# KiCad board delta48m.kicad_pcb
title: Компьютер Дельта-С-М; date: 2023-03-13; rev: 1; note: Евстафьев
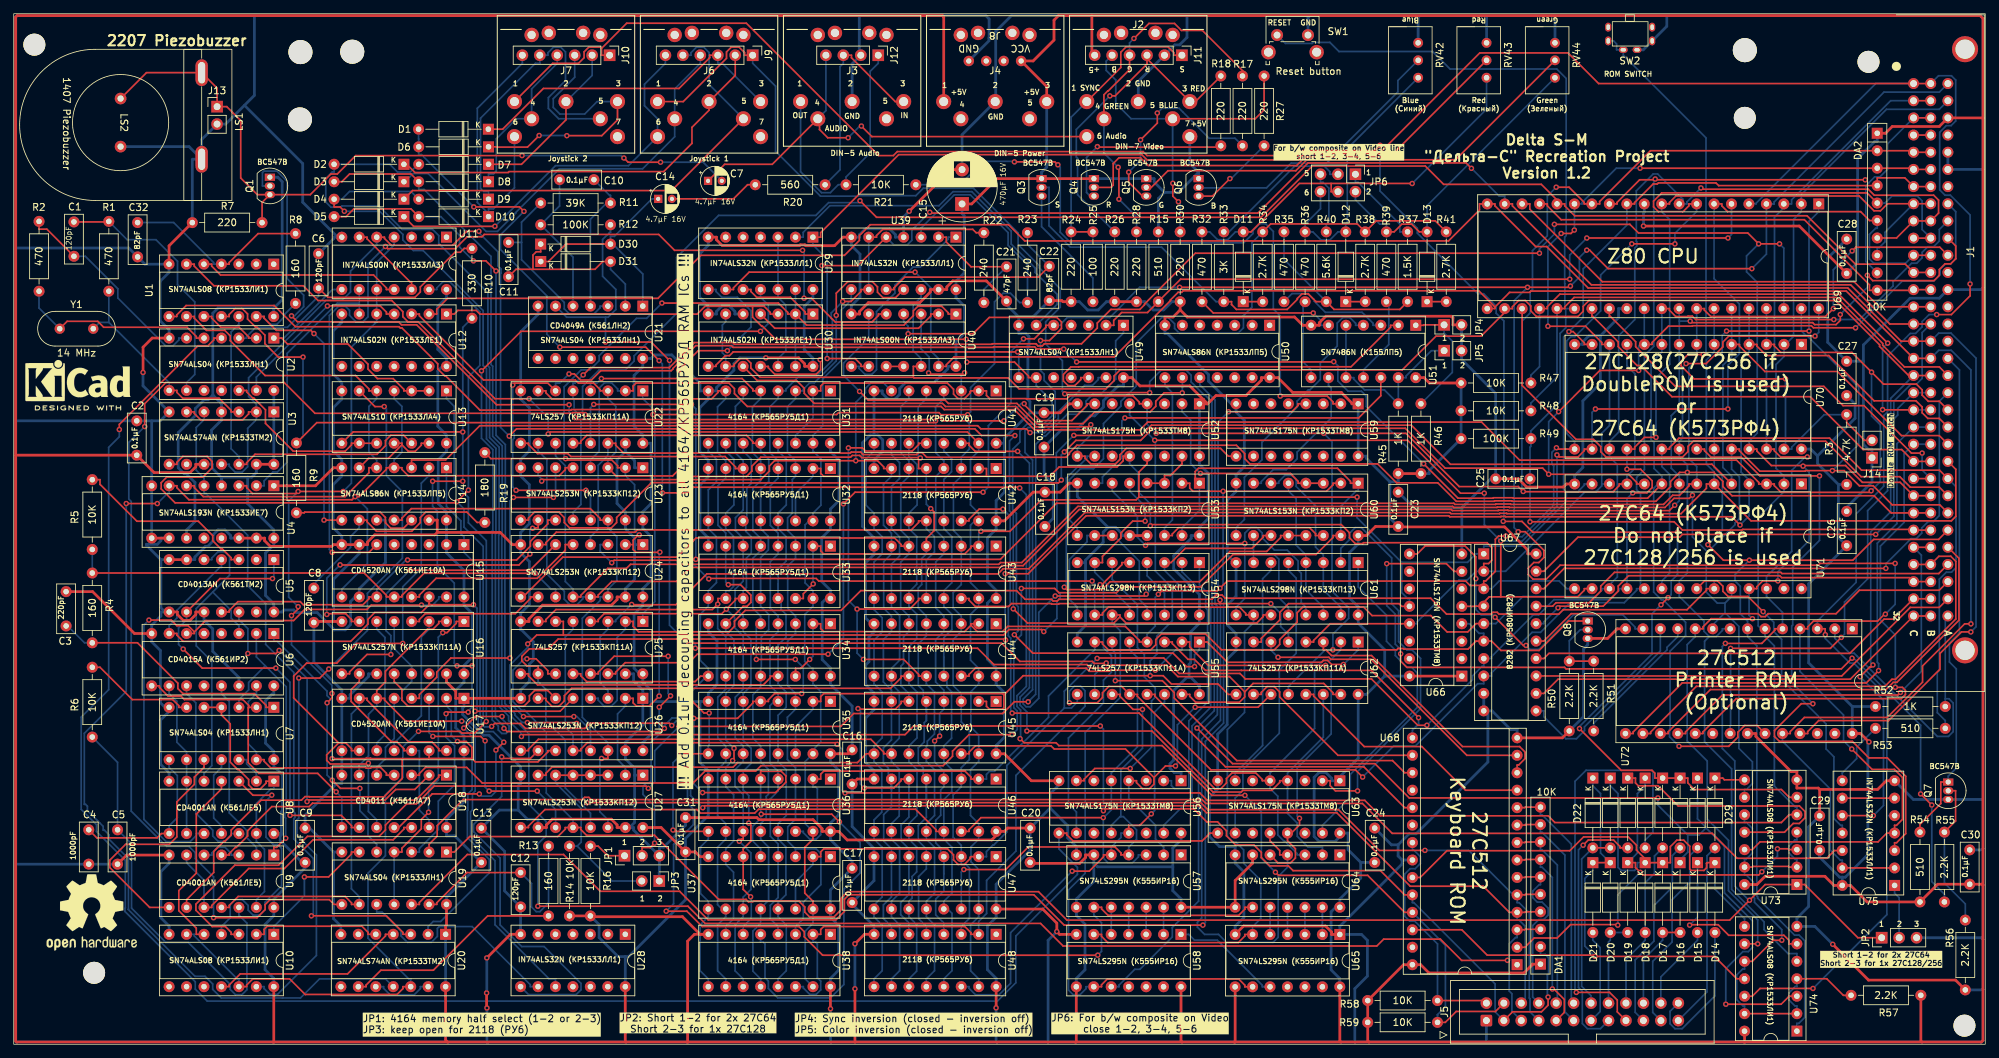
[diagram p0: board, top side]
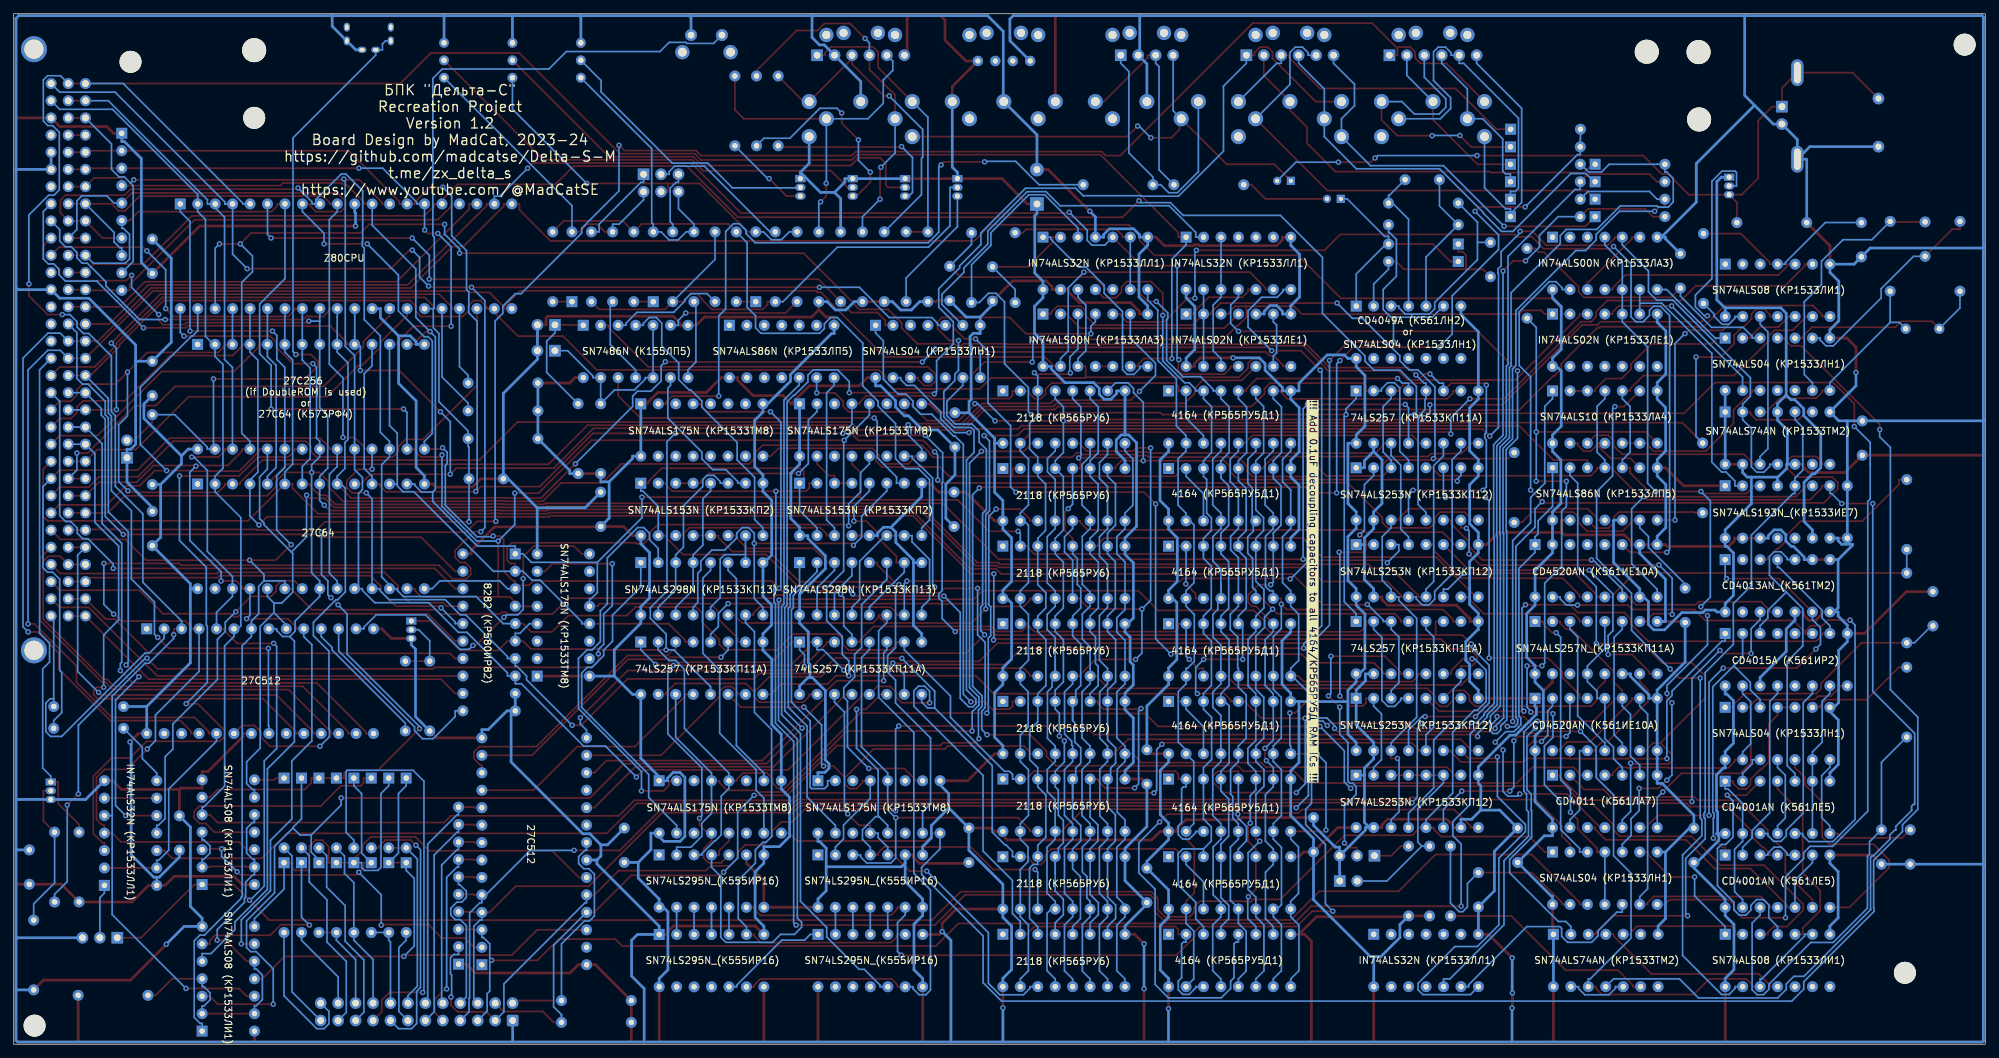
[diagram p1: board, bottom side, seen from below]

Outline 287 x 150 mm; copper layers: Top, Bottom. Coordinates in mm from the lower left corner of the outline.
Outline path: rectangle 0,150 287,0
Stack: Top 0.035mm / dielectric 1.6mm FR4 er 4.5 / Bottom 0.035mm

## Placement (name value [footprint] x y rotation side)
C1  120pF  [C_Disc_D7.0mm_W2.5mm_P5.00mm]  8.76 114.69 90 top
C2  0.1μF  [C_Disc_D7.0mm_W2.5mm_P5.00mm]  17.91 85.74 90 top
C3  220pF  [C_Disc_D7.0mm_W2.5mm_P5.00mm]  7.62 65.89 270 top
C4  1000pF  [C_Disc_D7.0mm_W2.5mm_P5.00mm]  10.92 26.22 90 top
C5  1000pF  [C_Disc_D7.0mm_W2.5mm_P5.00mm]  15.11 26.22 90 top
C6  120pF  [C_Disc_D7.0mm_W2.5mm_P5.00mm]  44.38 115.07 270 top
C7  4.7µF 16V  [CP_Radial_D4.0mm_P2.00mm]  101.08 125.67 0 top
C8  120pF  [C_Disc_D7.0mm_W2.5mm_P5.00mm]  43.69 61.39 90 top
C9  0.1μF  [C_Disc_D7.0mm_W2.5mm_P5.00mm]  42.42 26.47 90 top
C10  0.1µF  [C_Disc_D7.0mm_W2.5mm_P5.00mm]  84.46 125.85 180 top
C11  0.1µF  [C_Disc_D7.0mm_W2.5mm_P5.00mm]  72.04 111.72 90 top
C12  120pF  [C_Disc_D7.0mm_W2.5mm_P5.00mm]  73.79 24.99 270 top
C13  0.1μF  [C_Disc_D7.0mm_W2.5mm_P5.00mm]  68.07 26.47 90 top
C14  4.7µF 16V  [CP_Radial_D4.0mm_P2.00mm]  93.82 123.05 0 top
C15  470µF 16V  [CP_Radial_D10.0mm_P5.00mm]  138.05 122.31 90 top
C16  0.1μF  [C_Disc_D7.0mm_W2.5mm_P5.00mm]  122.05 37.86 90 top
C17  0.1μF  [C_Disc_D7.0mm_W2.5mm_P5.00mm]  122.05 20.63 90 top
C18  0.1μF  [C_Disc_D7.0mm_W2.5mm_P5.00mm]  150.11 75.36 90 top
C19  0.1μF  [C_Disc_D7.0mm_W2.5mm_P5.00mm]  149.99 86.92 90 top
C20  0.1μF  [C_Disc_D7.0mm_W2.5mm_P5.00mm]  147.96 26.47 90 top
C21  47pF  [C_Disc_D7.0mm_W2.5mm_P5.00mm]  144.53 113.17 270 top
C22  82pF  [C_Disc_D7.0mm_W2.5mm_P5.00mm]  150.75 113.25 270 top
C23  0.1μF  [C_Disc_D7.0mm_W2.5mm_P5.00mm]  201.55 75.36 90 top
C24  0.1μF  [C_Disc_D7.0mm_W2.5mm_P5.00mm]  198.12 26.47 90 top
C25  0.1μF  [C_Disc_D7.0mm_W2.5mm_P5.00mm]  220.73 82.31 180 top
C26  0.1μF  [C_Disc_D7.0mm_W2.5mm_P5.00mm]  266.83 72.57 90 top
C27  0.1μF  [C_Disc_D7.0mm_W2.5mm_P5.00mm]  266.83 94.41 90 top
C28  0.1μF  [C_Disc_D7.0mm_W2.5mm_P5.00mm]  266.83 112.19 90 top
C29  0.1μF  [C_Disc_D7.0mm_W2.5mm_P5.00mm]  262.89 28.25 90 top
C30  0.1μF  [C_Disc_D7.0mm_W2.5mm_P5.00mm]  284.73 23.29 90 top
C31  0.1μF  [C_Disc_D7.0mm_W2.5mm_P5.00mm]  97.79 27.99 90 top
C32  82pF  [C_Disc_D7.0mm_W2.5mm_P5.00mm]  18.03 114.61 90 top
D1  1N4148 (КД522Б)  [D_DO-35_SOD27_P10.16mm_Horizontal]  69.09 133.19 180 top
D2  1N4148 (КД522Б)  [D_DO-35_SOD27_P10.16mm_Horizontal]  56.8 128.09 180 top
D3  1N4148 (КД522Б)  [D_DO-35_SOD27_P10.16mm_Horizontal]  56.8 125.55 180 top
D4  1N4148 (КД522Б)  [D_DO-35_SOD27_P10.16mm_Horizontal]  56.8 123.01 180 top
D5  1N4148 (КД522Б)  [D_DO-35_SOD27_P10.16mm_Horizontal]  56.8 120.47 180 top
D6  1N4148 (КД522Б)  [D_DO-35_SOD27_P10.16mm_Horizontal]  69.12 130.63 180 top
D7  1N4148 (КД522Б)  [D_DO-35_SOD27_P10.16mm_Horizontal]  69.12 128.09 180 top
D8  1N4148 (КД522Б)  [D_DO-35_SOD27_P10.16mm_Horizontal]  69.12 125.55 180 top
D9  1N4148 (КД522Б)  [D_DO-35_SOD27_P10.16mm_Horizontal]  69.12 123.01 180 top
D10  1N4148 (КД522Б)  [D_DO-35_SOD27_P10.16mm_Horizontal]  69.12 120.47 180 top
D11  1N4148 (КД522Б)  [D_DO-35_SOD27_P10.16mm_Horizontal]  178.98 108.09 90 top
D12  1N4148 (КД522Б)  [D_DO-35_SOD27_P10.16mm_Horizontal]  193.9 108.09 90 top
D13  1N4148 (КД522Б)  [D_DO-35_SOD27_P10.16mm_Horizontal]  205.74 108.09 90 top
D14  1N4148 (КД522Б)  [D_DO-35_SOD27_P10.16mm_Horizontal]  229.87 26.43 270 top
D15  1N4148 (КД522Б)  [D_DO-35_SOD27_P10.16mm_Horizontal]  232.41 26.43 270 top
D16  1N4148 (КД522Б)  [D_DO-35_SOD27_P10.16mm_Horizontal]  234.95 26.43 270 top
D17  1N4148 (КД522Б)  [D_DO-35_SOD27_P10.16mm_Horizontal]  237.49 26.43 270 top
D18  1N4148 (КД522Б)  [D_DO-35_SOD27_P10.16mm_Horizontal]  240.03 26.43 270 top
D19  1N4148 (КД522Б)  [D_DO-35_SOD27_P10.16mm_Horizontal]  242.57 26.43 270 top
D20  1N4148 (КД522Б)  [D_DO-35_SOD27_P10.16mm_Horizontal]  245.11 26.43 270 top
D21  1N4148 (КД522Б)  [D_DO-35_SOD27_P10.16mm_Horizontal]  247.65 26.43 270 top
D22  1N4148 (КД522Б)  [D_DO-35_SOD27_P10.16mm_Horizontal]  229.87 38.75 270 top
D23  1N4148 (КД522Б)  [D_DO-35_SOD27_P10.16mm_Horizontal]  232.41 38.75 270 top
D24  1N4148 (КД522Б)  [D_DO-35_SOD27_P10.16mm_Horizontal]  234.95 38.75 270 top
D25  1N4148 (КД522Б)  [D_DO-35_SOD27_P10.16mm_Horizontal]  237.49 38.75 270 top
D26  1N4148 (КД522Б)  [D_DO-35_SOD27_P10.16mm_Horizontal]  240.03 38.75 270 top
D27  1N4148 (КД522Б)  [D_DO-35_SOD27_P10.16mm_Horizontal]  242.57 38.75 270 top
D28  1N4148 (КД522Б)  [D_DO-35_SOD27_P10.16mm_Horizontal]  245.11 38.75 270 top
D29  1N4148 (КД522Б)  [D_DO-35_SOD27_P10.16mm_Horizontal]  247.65 38.75 270 top
D30  1N4148 (КД522Б)  [D_DO-35_SOD27_P10.16mm_Horizontal]  76.71 116.47 0 top
D31  1N4148 (КД522Б)  [D_DO-35_SOD27_P10.16mm_Horizontal]  76.72 113.93 0 top
DA1  10K  [R_Array_SIP10]  222.25 11.66 90 top
DA2  10K  [R_Array_SIP10]  271.27 132.6 270 top
H1  -  [MountingHole_3.5mm]  41.73 144.52 0 top
H3  -  [MountingHole_3.2mm_M3]  3 145.5 0 top
H4  -  [MountingHole_3.2mm_M3]  11.7 10.4 0 top
H5  -  [MountingHole_3.2mm_M3]  270 143 0 top
H6  -  [MountingHole_3.2mm_M3]  283.97 2.71 0 top
H7  -  [MountingHole_3.5mm]  49.28 144.57 0 top
H8  -  [MountingHole_3mm]  252 144.7 0 top
H9  -  [MountingHole_3.2mm_M3]  252 134.84 0 top
H10  -  [MountingHole_3.5mm]  41.66 134.72 0 top
J1  SNP  [snp59_96_female_angle_3]  281.56 139.84 90 top
J2  DIN-7 Video  [DIN-7-Variable]  163.7 137.21 0 top
J3  DIN-5 Audio  [DIN-5-Variable]  122.05 137.21 0 top
J4  DIN-5 Power  [DIN-5-Variable]  142.88 137.21 0 top
J5  Keyboard Connector  [IDC-Header_2x12_P2.54mm_Vertical]  214.38 3.45 90 top
J6  Joystick 1  [DIN-7-Variable]  101.22 137.21 0 top
J7  Joystick 2  [DIN-7-Variable]  80.39 137.21 0 top
J8  USB_PORT  [USB-C Power board]  142.81 143.05 180 top
J9  Conn_01x06  [PinHeader_1x06_P2.54mm_Vertical]  107.57 143.96 270 top
J10  Conn_01x06  [PinHeader_1x06_P2.54mm_Vertical]  86.74 143.96 270 top
J11  Conn_01x06  [PinHeader_1x06_P2.54mm_Vertical]  170.05 143.96 270 top
J12  Conn_01x04  [PinHeader_1x04_P2.54mm_Vertical]  125.85 143.96 270 top
J13  Conn_01x02  [PinHeader_1x02_P2.54mm_Vertical]  29.6 136.48 0 top
J14  Conn_01x02  [PinHeader_1x02_P2.54mm_Vertical]  270.51 85.36 180 top
JP1  Jumper_3_Bridged12  [PinHeader_1x03_P2.54mm_Vertical]  88.91 27.44 90 top
JP2  Jumper_3_Open  [PinHeader_1x03_P2.54mm_Vertical]  271.92 15.51 90 top
JP3  Jumper_2_Open  [PinHeader_1x02_P2.54mm_Vertical]  93.97 23.76 270 top
JP4  Jumper_2_Open  [PinHeader_1x02_P2.54mm_Vertical]  208.22 104.71 90 top
JP5  Jumper_2_Open  [PinHeader_1x02_P2.54mm_Vertical]  208.23 100.95 90 top
JP6  RGB/Composite  [PinHeader_2x03_P2.54mm_Vertical]  195.31 126.64 270 top
Log1  -  [KiCad-Logo2_6mm_SilkScreen]  9.34 96.63 0 top
Log2  -  [OSHW-Logo2_14.6x12mm_SilkScreen]  11.35 19.2 0 top
LS1  2207  [ZM-Piezo Buzzer-2207T2]  24.76 122.82 90 top
LS2  1407  [1407 Piezoelectric Passive Buzzer]  15.55 134.16 270 top
Q1  BC547B  [TO-92_Inline]  37.28 126.21 270 top
Q3  BC547B  [TO-92_Inline]  149.63 126 270 top
Q4  BC547B  [TO-92_Inline]  157.25 126 270 top
Q5  BC547B  [TO-92_Inline]  164.87 126 270 top
Q6  BC547B  [TO-92_Inline]  172.49 126 270 top
Q7  BC547B  [TO-92_Inline]  281.61 38.17 270 top
Q8  BC547B  [TO-92_Inline]  229.13 61.61 270 top
R1  470  [R_Axial_DIN0207_L6.3mm_D2.5mm_P10.16mm_Horizontal]  13.84 119.77 270 top
R2  470  [R_Axial_DIN0207_L6.3mm_D2.5mm_P10.16mm_Horizontal]  3.68 109.61 90 top
R3  4.7K  [R_Axial_DIN0207_L6.3mm_D2.5mm_P10.16mm_Horizontal]  266.83 81.48 90 top
R4  160  [R_Axial_DIN0207_L6.3mm_D2.5mm_P10.16mm_Horizontal]  11.43 68.59 270 top
R5  10K  [R_Axial_DIN0207_L6.3mm_D2.5mm_P10.16mm_Horizontal]  11.43 72.02 90 top
R6  10K  [R_Axial_DIN0207_L6.3mm_D2.5mm_P10.16mm_Horizontal]  11.43 44.72 90 top
R7  220  [R_Axial_DIN0207_L6.3mm_D2.5mm_P10.16mm_Horizontal]  36.15 119.6 180 top
R8  160  [R_Axial_DIN0207_L6.3mm_D2.5mm_P10.16mm_Horizontal]  41.02 107.84 90 top
R9  160  [R_Axial_DIN0207_L6.3mm_D2.5mm_P10.16mm_Horizontal]  41.15 87.52 270 top
R10  330  [R_Axial_DIN0207_L6.3mm_D2.5mm_P10.16mm_Horizontal]  66.7 105.68 90 top
R11  39K  [R_Axial_DIN0207_L6.3mm_D2.5mm_P10.16mm_Horizontal]  76.71 122.44 0 top
R12  100K  [R_Axial_DIN0207_L6.3mm_D2.5mm_P10.16mm_Horizontal]  76.72 119.28 0 top
R13  160  [R_Axial_DIN0207_L6.3mm_D2.5mm_P10.16mm_Horizontal]  77.85 28.84 270 top
R14  10K  [R_Axial_DIN0207_L6.3mm_D2.5mm_P10.16mm_Horizontal]  80.9 18.68 90 top
R15  510  [R_Axial_DIN0207_L6.3mm_D2.5mm_P10.16mm_Horizontal]  166.62 108.09 90 top
R16  10K  [R_Axial_DIN0207_L6.3mm_D2.5mm_P10.16mm_Horizontal]  83.95 18.68 90 top
R17  220  [R_Axial_DIN0207_L6.3mm_D2.5mm_P10.16mm_Horizontal]  178.87 130.78 90 top
R18  220  [R_Axial_DIN0207_L6.3mm_D2.5mm_P10.16mm_Horizontal]  175.72 130.78 90 top
R19  180  [R_Axial_DIN0207_L6.3mm_D2.5mm_P10.16mm_Horizontal]  68.58 86.12 270 top
R20  560  [R_Axial_DIN0207_L6.3mm_D2.5mm_P10.16mm_Horizontal]  118.11 125.11 180 top
R21  10K  [R_Axial_DIN0207_L6.3mm_D2.5mm_P10.16mm_Horizontal]  131.32 125.11 180 top
R22  240  [R_Axial_DIN0207_L6.3mm_D2.5mm_P10.16mm_Horizontal]  141.22 107.96 90 top
R23  240  [R_Axial_DIN0207_L6.3mm_D2.5mm_P10.16mm_Horizontal]  147.57 118.12 270 top
R24  220  [R_Axial_DIN0207_L6.3mm_D2.5mm_P10.16mm_Horizontal]  153.92 118.25 270 top
R25  100  [R_Axial_DIN0207_L6.3mm_D2.5mm_P10.16mm_Horizontal]  157.1 108.09 90 top
R26  220  [R_Axial_DIN0207_L6.3mm_D2.5mm_P10.16mm_Horizontal]  160.27 118.25 270 top
R27  220  [R_Axial_DIN0207_L6.3mm_D2.5mm_P10.16mm_Horizontal]  182.02 130.78 90 top
R28  220  [R_Axial_DIN0207_L6.3mm_D2.5mm_P10.16mm_Horizontal]  163.45 118.25 270 top
R30  220  [R_Axial_DIN0207_L6.3mm_D2.5mm_P10.16mm_Horizontal]  169.8 118.25 270 top
R32  470  [R_Axial_DIN0207_L6.3mm_D2.5mm_P10.16mm_Horizontal]  172.97 108.09 90 top
R33  3K  [R_Axial_DIN0207_L6.3mm_D2.5mm_P10.16mm_Horizontal]  176.15 118.25 270 top
R34  2.7K  [R_Axial_DIN0207_L6.3mm_D2.5mm_P10.16mm_Horizontal]  181.82 118.25 270 top
R35  470  [R_Axial_DIN0207_L6.3mm_D2.5mm_P10.16mm_Horizontal]  184.91 108.09 90 top
R36  470  [R_Axial_DIN0207_L6.3mm_D2.5mm_P10.16mm_Horizontal]  187.99 108.09 90 top
R37  1.5K  [R_Axial_DIN0207_L6.3mm_D2.5mm_P10.16mm_Horizontal]  202.91 108.09 90 top
R38  2.7K  [R_Axial_DIN0207_L6.3mm_D2.5mm_P10.16mm_Horizontal]  196.74 118.25 270 top
R39  470  [R_Axial_DIN0207_L6.3mm_D2.5mm_P10.16mm_Horizontal]  199.82 108.09 90 top
R40  5.6K  [R_Axial_DIN0207_L6.3mm_D2.5mm_P10.16mm_Horizontal]  191.07 108.09 90 top
R41  2.7K  [R_Axial_DIN0207_L6.3mm_D2.5mm_P10.16mm_Horizontal]  208.53 118.25 270 top
R45  1K  [R_Axial_DIN0207_L6.3mm_D2.5mm_P10.16mm_Horizontal]  201.55 93.23 270 top
R46  1K  [R_Axial_DIN0207_L6.3mm_D2.5mm_P10.16mm_Horizontal]  204.85 93.23 270 top
R47  10K  [R_Axial_DIN0207_L6.3mm_D2.5mm_P10.16mm_Horizontal]  210.69 96.25 0 top
R48  10K  [R_Axial_DIN0207_L6.3mm_D2.5mm_P10.16mm_Horizontal]  210.69 92.2 0 top
R49  100K  [R_Axial_DIN0207_L6.3mm_D2.5mm_P10.16mm_Horizontal]  210.69 88.15 0 top
R50  2.2K  [R_Axial_DIN0207_L6.3mm_D2.5mm_P10.16mm_Horizontal]  226.44 45.61 90 top
R51  2.2K  [R_Axial_DIN0207_L6.3mm_D2.5mm_P10.16mm_Horizontal]  230 55.77 270 top
R52  1K  [R_Axial_DIN0207_L6.3mm_D2.5mm_P10.16mm_Horizontal]  271.02 49.16 0 top
R53  510  [R_Axial_DIN0207_L6.3mm_D2.5mm_P10.16mm_Horizontal]  271.02 45.99 0 top
R54  510  [R_Axial_DIN0207_L6.3mm_D2.5mm_P10.16mm_Horizontal]  277.5 20.71 90 top
R55  2.2K  [R_Axial_DIN0207_L6.3mm_D2.5mm_P10.16mm_Horizontal]  281.05 30.87 270 top
R56  2.2K  [R_Axial_DIN0207_L6.3mm_D2.5mm_P10.16mm_Horizontal]  284.1 7.91 90 top
R57  2.2K  [R_Axial_DIN0207_L6.3mm_D2.5mm_P10.16mm_Horizontal]  277.62 7.12 180 top
R58  10K  [R_Axial_DIN0207_L6.3mm_D2.5mm_P10.16mm_Horizontal]  197.1 6.36 0 top
R59  10K  [R_Axial_DIN0207_L6.3mm_D2.5mm_P10.16mm_Horizontal]  197.1 3.19 0 top
RV42  22K  [Potentiometer_Bourns_3299X_Horizontal]  204.44 140.69 270 top
RV43  22K  [Potentiometer_Bourns_3299X_Horizontal]  214.4 140.69 270 top
RV44  22K  [Potentiometer_Bourns_3299X_Horizontal]  224.36 140.69 270 top
SW1  Reset button  [SW_Tactile_SPST_Angled_PTS645Vx83-2LFS]  183.91 146.89 0 top
SW2  SW_SPST  [onoffswitch]  234.31 144.75 0 top
U1  SN74ALS08 (КР1533ЛИ1)  [DIP-14_W7.62mm_Socket]  37.85 113.55 270 top
U2  SN74ALS04 (КР1533ЛН1)  [DIP-14_W7.62mm_Socket]  37.86 102.79 270 top
U3  SN74ALS74AN (КР1533ТМ2)  [DIP-14_W7.62mm_Socket]  37.86 92.04 270 top
U4  SN74ALS193N_(КР1533ИЕ7)  [DIP-16_W7.62mm_Socket]  37.86 81.29 270 top
U5  СD4013АN_(К561ТМ2)  [DIP-14_W7.62mm_Socket]  37.86 70.54 270 top
U6  CD4015A (К561ИР2)  [DIP-16_W7.62mm_Socket]  37.86 59.79 270 top
U7  SN74ALS04 (КР1533ЛН1)  [DIP-14_W7.62mm_Socket]  37.86 49.04 270 top
U8  СD4001АN (К561ЛЕ5)  [DIP-14_W7.62mm_Socket]  37.86 38.29 270 top
U9  СD4001АN (К561ЛЕ5)  [DIP-14_W7.62mm_Socket]  37.86 27.54 270 top
U10  SN74ALS08 (КР1533ЛИ1)  [DIP-14_W7.62mm_Socket]  37.86 16 270 top
U11  IN74ALS00N (КР1533ЛА3)  [DIP-14_W7.62mm_Socket]  63 117.48 270 top
U12  IN74ALS02N (КР1533ЛЕ1)  [DIP-14_W7.62mm_Socket]  63 106.29 270 top
U13  SN74ALS10 (КР1533ЛА4)  [DIP-14_W7.62mm_Socket]  63 95.1 270 top
U14  SN74ALS86N (КР1533ЛП5)  [DIP-14_W7.62mm_Socket]  62.99 83.92 270 top
U15  CD4520АN (К561ИЕ10A)  [DIP-16_W7.62mm_Socket]  65.54 72.73 270 top
U16  SN74ALS257N_(КР1533КП11А)  [DIP-16_W7.62mm_Socket]  65.54 61.54 270 top
U17  CD4520АN (К561ИЕ10A)  [DIP-16_W7.62mm_Socket]  65.54 50.35 270 top
U18  CD4011 (К561ЛА7)  [DIP-14_W7.62mm_Socket]  63 39.17 270 top
U19  SN74ALS04 (КР1533ЛН1)  [DIP-14_W7.62mm_Socket]  63 27.98 270 top
U20  SN74ALS74AN (КР1533ТМ2)  [DIP-14_W7.62mm_Socket]  62.87 16 270 top
U21  SN74ALS04 (КР1533ЛН1)  [DIP-14_W7.62mm_Socket]  91.57 107.45 270 top
U22  74LS257 (КР1533КП11А)  [DIP-16_W7.62mm_Socket]  91.58 95.1 270 top
U23  SN74ALS253N (КР1533КП12)  [DIP-16_W7.62mm_Socket]  91.58 83.92 270 top
U24  SN74ALS253N (КР1533КП12)  [DIP-16_W7.62mm_Socket]  91.58 72.73 270 top
U25  74LS257 (КР1533КП11А)  [DIP-16_W7.62mm_Socket]  91.58 61.54 270 top
U26  SN74ALS253N (КР1533КП12)  [DIP-16_W7.62mm_Socket]  91.58 50.35 270 top
U27  SN74ALS253N (КР1533КП12)  [DIP-16_W7.62mm_Socket]  91.58 39.17 270 top
U28  IN74ALS32N (КР1533ЛЛ1)  [DIP-14_W7.62mm_Socket]  89.02 16 270 top
U29  IN74ALS32N (КР1533ЛЛ1)  [DIP-14_W7.62mm_Socket]  116.34 117.48 270 top
U30  IN74ALS02N (КР1533ЛЕ1)  [DIP-14_W7.62mm_Socket]  116.34 106.29 270 top
U31  RU5D1  [DIP-16_W7.62mm_Socket]  118.89 95.1 270 top
U32  RU5D1  [DIP-16_W7.62mm_Socket]  118.89 83.8 270 top
U33  RU5D1  [DIP-16_W7.62mm_Socket]  118.89 72.5 270 top
U34  RU5D1  [DIP-16_W7.62mm_Socket]  118.89 61.2 270 top
U35  RU5D1  [DIP-16_W7.62mm_Socket]  118.89 49.9 270 top
U36  RU5D1  [DIP-16_W7.62mm_Socket]  118.89 38.6 270 top
U37  RU5D1  [DIP-16_W7.62mm_Socket]  118.89 27.3 270 top
U38  RU5D1  [DIP-16_W7.62mm_Socket]  118.89 16 270 top
U39  IN74ALS32N (КР1533ЛЛ1)  [DIP-14_W7.62mm_Socket]  137.16 117.48 270 top
U40  IN74ALS00N (КР1533ЛА3)  [DIP-14_W7.62mm_Socket]  137.16 106.29 270 top
U41  2118 (КР565РУ6)  [DIP-16_W7.62mm_Socket]  143.01 95.1 270 top
U42  2118 (КР565РУ6)  [DIP-16_W7.62mm_Socket]  143.01 83.8 270 top
U43  2118 (КР565РУ6)  [DIP-16_W7.62mm_Socket]  143.01 72.5 270 top
U44  2118 (КР565РУ6)  [DIP-16_W7.62mm_Socket]  143.01 61.2 270 top
U45  2118 (КР565РУ6)  [DIP-16_W7.62mm_Socket]  143.01 49.9 270 top
U46  2118 (КР565РУ6)  [DIP-16_W7.62mm_Socket]  143.01 38.6 270 top
U47  2118 (КР565РУ6)  [DIP-16_W7.62mm_Socket]  143.01 27.3 270 top
U48  2118 (КР565РУ6)  [DIP-16_W7.62mm_Socket]  143.01 16 270 top
U49  SN74ALS04 (КР1533ЛН1)  [DIP-14_W7.62mm_Socket]  161.54 104.65 270 top
U50  SN74ALS86N (КР1533ЛП5)  [DIP-14_W7.62mm_Socket]  182.82 104.65 270 top
U51  SN7486N (К155ЛП5)  [DIP-14_W7.62mm_Socket]  204.09 104.65 270 top
U52  SN74ALS175N (КР1533ТМ8)  [DIP-16_W7.62mm_Socket]  172.6 93.22 270 top
U53  SN74ALS153N (КР1533КП2)  [DIP-16_W7.62mm_Socket]  172.6 81.66 270 top
U54  SN74ALS298N (КР1533КП13)  [DIP-16_W7.62mm_Socket]  172.6 70.11 270 top
U55  74LS257 (КР1533КП11А)  [DIP-16_W7.62mm_Socket]  172.6 58.55 270 top
U56  SN74ALS175N (КР1533ТМ8)  [DIP-16_W7.62mm_Socket]  169.94 38.36 270 top
U57  SN74LS295N_(К555ИР16)  [DIP-14_W7.62mm_Socket]  169.93 27.56 270 top
U58  SN74LS295N_(К555ИР16)  [DIP-14_W7.62mm_Socket]  169.92 15.99 270 top
U59  SN74ALS175N (КР1533ТМ8)  [DIP-16_W7.62mm_Socket]  195.72 93.22 270 top
U60  SN74ALS153N (КР1533КП2)  [DIP-16_W7.62mm_Socket]  195.72 81.66 270 top
U61  SN74ALS298N (КР1533КП13)  [DIP-16_W7.62mm_Socket]  195.72 70.11 270 top
U62  74LS257 (КР1533КП11А)  [DIP-16_W7.62mm_Socket]  195.72 58.55 270 top
U63  SN74ALS175N (КР1533ТМ8)  [DIP-16_W7.62mm_Socket]  193.04 38.36 270 top
U64  SN74LS295N_(К555ИР16)  [DIP-14_W7.62mm_Socket]  193.04 27.56 270 top
U65  SN74LS295N_(К555ИР16)  [DIP-14_W7.62mm_Socket]  193.04 15.98 270 top
U66  SN74ALS175N (КР1533ТМ8)  [DIP-16_W7.62mm_Socket]  210.8 53.59 180 top
U67  8282 (КР580ИР82)  [DIP-20_W7.62mm_Socket]  214 71.39 0 top
U68  27C512  [DIP-28_W15.24mm_Socket]  218.85 11.58 180 top
U69  Z80CPU  [DIP-40_W15.24mm_Socket]  262.76 122.32 270 top
U70  27C256  [DIP-28_W15.24mm_Socket]  260.24 101.87 270 top
U71  27C64  [DIP-28_W15.24mm_Socket]  260.24 81.55 270 top
U72  27C512  [DIP-28_W15.24mm_Socket]  267.64 60.47 270 top
U73  SN74ALS08 (КР1533ЛИ1)  [DIP-14_W7.62mm_Socket]  259.58 23.25 180 top
U74  SN74ALS08 (КР1533ЛИ1)  [DIP-14_W7.62mm_Socket]  259.58 1.91 180 top
U75  IN74ALS32N (КР1533ЛЛ1)  [DIP-14_W7.62mm_Socket]  273.8 23.12 180 top
Y1  14 MHz  [Crystal_HC49-U_Vertical]  6.69 104.15 0 top

## Library data of the parts
C1-C6 C8-C13 C16-C32 = -: ki_fp_filters: C_*
C7 C14 C15 = -: ki_fp_filters: CP_*
D1-D31 = -: ki_fp_filters: TO-???* *_Diode_* *SingleDiode* D_*
DA1 DA2 = -: Datasheet: http://www.vishay.com/docs/31509/csc.pdf; ki_fp_filters: R?Array?SIP*
J2-J4 J6 J7 = -: Datasheet: http://www.mouser.com/ds/2/18/40_c091_abd_e-75918.pdf; ki_fp_filters: DIN*
J5 JP6 = -: ki_fp_filters: Connector*:*_2x??_*
J8-J14 = -: ki_fp_filters: Connector*:*_1x??_*
JP1 JP2 = -: ki_fp_filters: Jumper* TestPoint*3Pads* TestPoint*Bridge*
JP3-JP5 = -: ki_fp_filters: Jumper* TestPoint*2Pads* TestPoint*Bridge*
Q1 Q3-Q8 = -: Datasheet: https://www.onsemi.com/pub/Collateral/BC550-D.pdf; ki_fp_filters: TO?92*
R1-R28 R30 R32-R41 R45-R59 = -: ki_fp_filters: R_*
RV42-RV44 = -: ki_fp_filters: Potentiometer*
U1 U10 U73 U74 = -: Datasheet: http://www.ti.com/lit/gpn/sn74LS08; ki_fp_filters: DIP*W7.62mm*
U2 U7 U19 U49 = -: Datasheet: http://www.ti.com/lit/gpn/sn74LS04; ki_fp_filters: DIP*W7.62mm* SSOP?14* TSSOP?14*
U3 U20 = -: Datasheet: 74xx/74hc_hct74.pdf; ki_fp_filters: DIP*W7.62mm*
U4 = -: Datasheet: http://www.ti.com/lit/ds/symlink/sn74ls193.pdf; ki_fp_filters: SOIC*3.9x9.9mm*P1.27mm* DIP*W7.62mm*
U8 U9 = -: Datasheet: http://www.intersil.com/content/dam/Intersil/documents/cd40/cd4000bms-01bms-02bms-25bms.pdf; ki_fp_filters: DIP?14*
U11 U40 = -: Datasheet: http://www.ti.com/lit/gpn/sn74ls00; ki_fp_filters: DIP*W7.62mm* SO14*
U12 U30 = -: Datasheet: http://www.ti.com/lit/gpn/sn74ls02; ki_fp_filters: SO14* DIP*W7.62mm*
U13 = -: Datasheet: http://www.ti.com/lit/gpn/sn74LS10; ki_fp_filters: DIP*W7.62mm*
U14 U50 U51 = -: Datasheet: 74xx/74ls86.pdf; ki_fp_filters: DIP*W7.62mm*
U15 U17 = -: Datasheet: http://www.intersil.com/content/dam/Intersil/documents/cd45/cd4518bms-20bms.pdf; ki_fp_filters: DIP?16*
U16 U22 U25 U55 U62 = -: Datasheet: http://www.ti.com/lit/gpn/sn74LS257; ki_fp_filters: DIP?16*
U18 = -: Datasheet: http://www.intersil.com/content/dam/Intersil/documents/cd40/cd4011bms-12bms-23bms.pdf; ki_fp_filters: DIP?14*
U21 = -: Datasheet: http://www.ti.com/lit/gpn/sn74LS14; ki_fp_filters: DIP*W7.62mm*
U23 U24 U26 U27 = -: Datasheet: http://www.ti.com/lit/gpn/sn74LS253; ki_fp_filters: DIP?16*
U28 U29 U39 U75 = -: Datasheet: http://www.ti.com/lit/gpn/sn74LS32; ki_fp_filters: DIP?14*
U52 U56 U59 U63 U66 = -: Datasheet: http://www.ti.com/lit/gpn/sn74LS175; ki_fp_filters: DIP?16*
U53 U60 = -: Datasheet: http://www.ti.com/lit/gpn/sn74LS153; ki_fp_filters: DIP?16*
U54 U61 = -: Datasheet: http://www.ti.com/lit/gpn/sn74LS298; ki_fp_filters: DIP?16*
U57 U58 U64 U65 = -: Datasheet: http://www.ti.com/lit/gpn/sn74LS295; ki_fp_filters: DIP*W7.62mm*
U68 U72 = -: Datasheet: http://ww1.microchip.com/downloads/en/DeviceDoc/doc0015.pdf; ki_fp_filters: DIP*W15.24mm*
U69 = -: Datasheet: www.zilog.com/manage_directlink.php?filepath=docs/z80/um0080; ki_fp_filters: DIP* PDIP*
U70 = -: Datasheet: http://ww1.microchip.com/downloads/en/DeviceDoc/doc0014.pdf; ki_fp_filters: DIP*W15.24mm*
U71 = -: Datasheet: http://ww1.microchip.com/downloads/en/devicedoc/11003L.pdf; ki_fp_filters: DIP*W15.24mm*
Y1 = -: ki_fp_filters: Crystal*

## Footprints (pads in the part's own frame, mm; a bottom-side part is the same pattern mirrored in y, then rotated)
1407 Piezoelectric Passive Buzzer
  round 1.7 hole 0.9: 1(-3.5,0) 2(3.5,0)
C_Disc_D7.0mm_W2.5mm_P5.00mm
  round 1.6 hole 0.8: 1(0,0) 2(5,0)
CP_Radial_D4.0mm_P2.00mm
  rect 1.2x1.2 hole 0.6: 1(0,0)
  round 1.2 hole 0.6: 2(2,0)
CP_Radial_D10.0mm_P5.00mm
  rect 2x2 hole 1: 1(0,0)
  round 2 hole 1: 2(5,0)
Crystal_HC49-U_Vertical
  round 1.5 hole 0.8: 1(0,0) 2(4.88,0)
D_DO-35_SOD27_P10.16mm_Horizontal
  rect 1.6x1.6 hole 0.8: 1(0,0)
  oval 1.6x1.6 hole 0.8: 2(10.16,0)
DIN-5-Variable
  round 2.1 hole 1.2: (-5,9.7) (-2.5,10) (2.5,10) (5,9.7)
  round 2.2 hole 1.3: 1(-7.5,0) 2(0,0) 3(7.5,0) 4(-5,-2.5) 5(5,-2.5)
DIN-7-Variable
  round 2.1 hole 1.2: (-5,9.7) (-2.5,10) (2.5,10) (5,9.7)
  round 2.2 hole 1.3: 1(-7.5,0) 2(0,0) 3(7.5,0) 4(-5,-2.5) 5(5,-2.5) 6(-7.5,-5.1) 7(7.5,-5.1)
DIP-14_W7.62mm_Socket
  rect 1.6x1.6 hole 0.8: 1(0,0)
  oval 1.6x1.6 hole 0.8: 2(0,-2.54) 3(0,-5.08) 4(0,-7.62) 5(0,-10.16) 6(0,-12.7) 7(0,-15.24) 8(7.62,-15.24) 9(7.62,-12.7) 10(7.62,-10.16) 11(7.62,-7.62) 12(7.62,-5.08) 13(7.62,-2.54) 14(7.62,0)
DIP-16_W7.62mm_Socket
  rect 1.6x1.6 hole 0.8: 1(0,0)
  oval 1.6x1.6 hole 0.8: 2(0,-2.54) 3(0,-5.08) 4(0,-7.62) 5(0,-10.16) 6(0,-12.7) 7(0,-15.24) 8(0,-17.78) 9(7.62,-17.78) 10(7.62,-15.24) 11(7.62,-12.7) 12(7.62,-10.16) 13(7.62,-7.62) 14(7.62,-5.08) 15(7.62,-2.54) 16(7.62,0)
DIP-20_W7.62mm_Socket
  rect 1.6x1.6 hole 0.8: 1(0,0)
  oval 1.6x1.6 hole 0.8: 2(0,-2.54) 3(0,-5.08) 4(0,-7.62) 5(0,-10.16) 6(0,-12.7) 7(0,-15.24) 8(0,-17.78) 9(0,-20.32) 10(0,-22.86) 11(7.62,-22.86) 12(7.62,-20.32) 13(7.62,-17.78) 14(7.62,-15.24) 15(7.62,-12.7) 16(7.62,-10.16) 17(7.62,-7.62) 18(7.62,-5.08) 19(7.62,-2.54) 20(7.62,0)
DIP-28_W15.24mm_Socket
  rect 1.6x1.6 hole 0.8: 1(0,0)
  oval 1.6x1.6 hole 0.8: 2(0,-2.54) 3(0,-5.08) 4(0,-7.62) 5(0,-10.16) 6(0,-12.7) 7(0,-15.24) 8(0,-17.78) 9(0,-20.32) 10(0,-22.86) 11(0,-25.4) 12(0,-27.94) 13(0,-30.48) 14(0,-33.02) 15(15.24,-33.02) 16(15.24,-30.48) 17(15.24,-27.94) 18(15.24,-25.4) 19(15.24,-22.86) 20(15.24,-20.32) 21(15.24,-17.78) 22(15.24,-15.24) 23(15.24,-12.7) 24(15.24,-10.16) 25(15.24,-7.62) 26(15.24,-5.08) 27(15.24,-2.54) 28(15.24,0)
DIP-40_W15.24mm_Socket
  rect 1.6x1.6 hole 0.8: 1(0,0)
  oval 1.6x1.6 hole 0.8: 2(0,-2.54) 3(0,-5.08) 4(0,-7.62) 5(0,-10.16) 6(0,-12.7) 7(0,-15.24) 8(0,-17.78) 9(0,-20.32) 10(0,-22.86) 11(0,-25.4) 12(0,-27.94) 13(0,-30.48) 14(0,-33.02) 15(0,-35.56) 16(0,-38.1) 17(0,-40.64) 18(0,-43.18) 19(0,-45.72) 20(0,-48.26) 21(15.24,-48.26) 22(15.24,-45.72) 23(15.24,-43.18) 24(15.24,-40.64) 25(15.24,-38.1) 26(15.24,-35.56) 27(15.24,-33.02) 28(15.24,-30.48) 29(15.24,-27.94) 30(15.24,-25.4) 31(15.24,-22.86) 32(15.24,-20.32) 33(15.24,-17.78) 34(15.24,-15.24) 35(15.24,-12.7) 36(15.24,-10.16) 37(15.24,-7.62) 38(15.24,-5.08) 39(15.24,-2.54) 40(15.24,0)
IDC-Header_2x12_P2.54mm_Vertical
  rrect 1.7x1.7 hole 1: 1(0,0)
  round 1.7 hole 1: 2(2.54,0) 3(0,-2.54) 4(2.54,-2.54) 5(0,-5.08) 6(2.54,-5.08) 7(0,-7.62) 8(2.54,-7.62) 9(0,-10.16) 10(2.54,-10.16) 11(0,-12.7) 12(2.54,-12.7) 13(0,-15.24) 14(2.54,-15.24) 15(0,-17.78) 16(2.54,-17.78) 17(0,-20.32) 18(2.54,-20.32) 19(0,-22.86) 20(2.54,-22.86) 21(0,-25.4) 22(2.54,-25.4) 23(0,-27.94) 24(2.54,-27.94)
MountingHole_3.2mm_M3
  round 3.2 hole 3.2 unplated: (0,0)
MountingHole_3.5mm
  round 3.5 hole 3.5 unplated: (0,-0.1)
MountingHole_3mm
  round 3.5 hole 3.5 unplated: (0,0)
onoffswitch
  oval 0.9x1.3 hole 0.5x0.8: (-2.2,3.3) (4.2,3.3) 1(-2.2,1.3) 2(4.2,1.3)
  oval 1.3x0.9 hole 0.8x0.5: 1(0,0) 2(2,0)
PinHeader_1x02_P2.54mm_Vertical
  rect 1.7x1.7 hole 1: 1(0,0)
  oval 1.7x1.7 hole 1: 2(0,-2.54)
PinHeader_1x03_P2.54mm_Vertical
  rect 1.7x1.7 hole 1: 1(0,0)
  oval 1.7x1.7 hole 1: 2(0,-2.54) 3(0,-5.08)
PinHeader_1x04_P2.54mm_Vertical
  rect 1.7x1.7 hole 1: 1(0,0)
  oval 1.7x1.7 hole 1: 2(0,-2.54) 3(0,-5.08) 4(0,-7.62)
PinHeader_1x06_P2.54mm_Vertical
  rect 1.7x1.7 hole 1: 1(0,0)
  oval 1.7x1.7 hole 1: 2(0,-2.54) 3(0,-5.08) 4(0,-7.62) 5(0,-10.16) 6(0,-12.7)
PinHeader_2x03_P2.54mm_Vertical
  rect 1.7x1.7 hole 1: 1(0,0)
  oval 1.7x1.7 hole 1: 2(2.54,0) 3(0,-2.54) 4(2.54,-2.54) 5(0,-5.08) 6(2.54,-5.08)
Potentiometer_Bourns_3299X_Horizontal
  round 1.44 hole 0.8: 1(0,0) 2(-2.54,0) 3(-5.08,0)
R_Array_SIP10
  rect 1.6x1.6 hole 0.8: 1(0,0)
  oval 1.6x1.6 hole 0.8: 2(2.54,0) 3(5.08,0) 4(7.62,0) 5(10.16,0) 6(12.7,0) 7(15.24,0) 8(17.78,0) 9(20.32,0) 10(22.86,0)
R_Axial_DIN0207_L6.3mm_D2.5mm_P10.16mm_Horizontal
  round 1.6 hole 0.8: 1(0,0)
  oval 1.6x1.6 hole 0.8: 2(10.16,0)
snp59_96_female_angle_3
  round 3.8 hole 2.8 unplated: (-82.5,-2.5) (5,-2.5)
  round 1.6 hole 1: 1(0,5) 1(0,2.5) 2(-2.5,5) 2(-2.5,2.5) 3(-5,5) 3(-5,2.5) 4(-7.5,5) 4(-7.5,2.5) 5(-10,5) 5(-10,2.5) 6(-12.5,5) 6(-12.5,2.5) 7(-15,5) 7(-15,2.5) 8(-17.5,5) 8(-17.5,2.5) 9(-20,5) 9(-20,2.5) 10(-22.5,5) 10(-22.5,2.5) 11(-25,5) 11(-25,2.5) 12(-27.5,5) 12(-27.5,2.5) 13(-30,5) 13(-30,2.5) 14(-32.5,5) 14(-32.5,2.5) 15(-35,5) 15(-35,2.5) 16(-37.5,5) 16(-37.5,2.5) 17(-40,5) 17(-40,2.5) 18(-42.5,5) 18(-42.5,2.5) 19(-45,5) 19(-45,2.5) 20(-47.5,5) 20(-47.5,2.5) 21(-50,5) 21(-50,2.5) 22(-52.5,5) 22(-52.5,2.5) 23(-55,5) 23(-55,2.5) 24(-57.5,5) 24(-57.5,2.5) 25(-60,5) 25(-60,2.5) 26(-62.5,5) 26(-62.5,2.5) 27(-65,5) 27(-65,2.5) 28(-67.5,5) 28(-67.5,2.5) 29(-70,5) 29(-70,2.5) 30(-72.5,5) 30(-72.5,2.5) 31(-75,5) 31(-75,2.5) 32(-77.5,5) 32(-77.5,2.5) 33(0,0) 34(-2.5,0) 35(-5,0) 36(-7.5,0) 37(-10,0) 38(-12.5,0) 39(-15,0) 40(-17.5,0) 41(-20,0) 42(-22.5,0) 43(-25,0) 44(-27.5,0) 45(-30,0) 46(-32.5,0) 47(-35,0) 48(-37.5,0) 49(-40,0) 50(-42.5,0) 51(-45,0) 52(-47.5,0) 53(-50,0) 54(-52.5,0) 55(-55,0) 56(-57.5,0) 57(-60,0) 58(-62.5,0) 59(-65,0) 60(-67.5,0) 61(-70,0) 62(-72.5,0) 63(-75,0) 64(-77.5,0)